# Altium PCB PCB1.PcbDoc (part 1 of 2)
Units mil, origin at the board's own origin, x right, y up, seen from the top; angles counter-clockwise.
Board outline 2600 x 1200 mil, 4 copper layers (Top Layer, GND, POW, Bottom Layer), stack 23.756 mil thick; 103 components, 102 nets, 427 pads, 309 vias.
Unrouted connection lines stored in the file: 7.
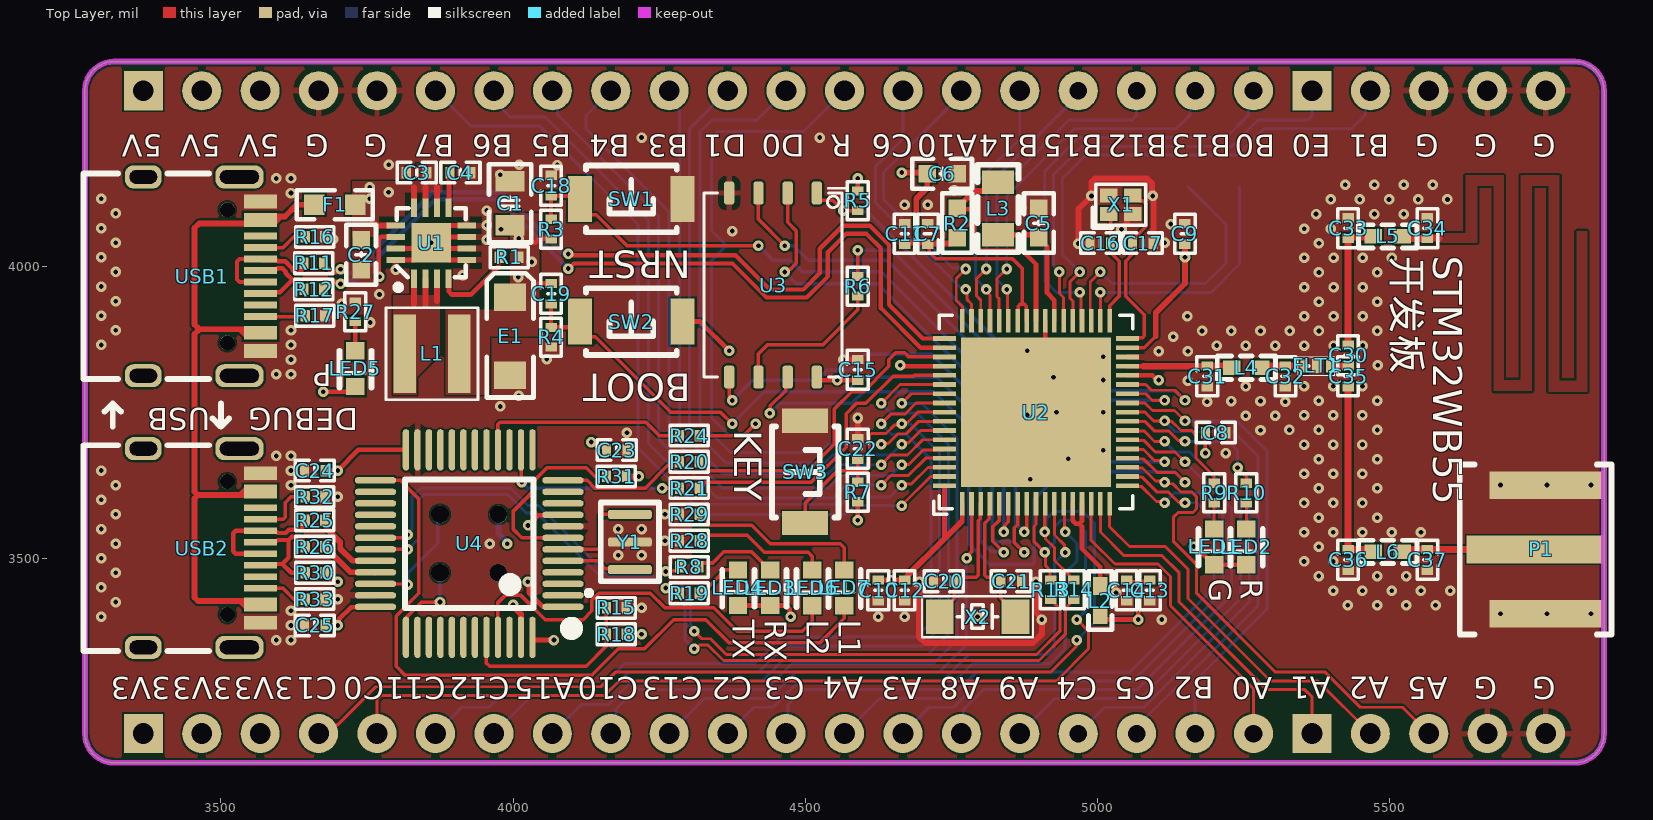
[diagram p0: Top Layer view]
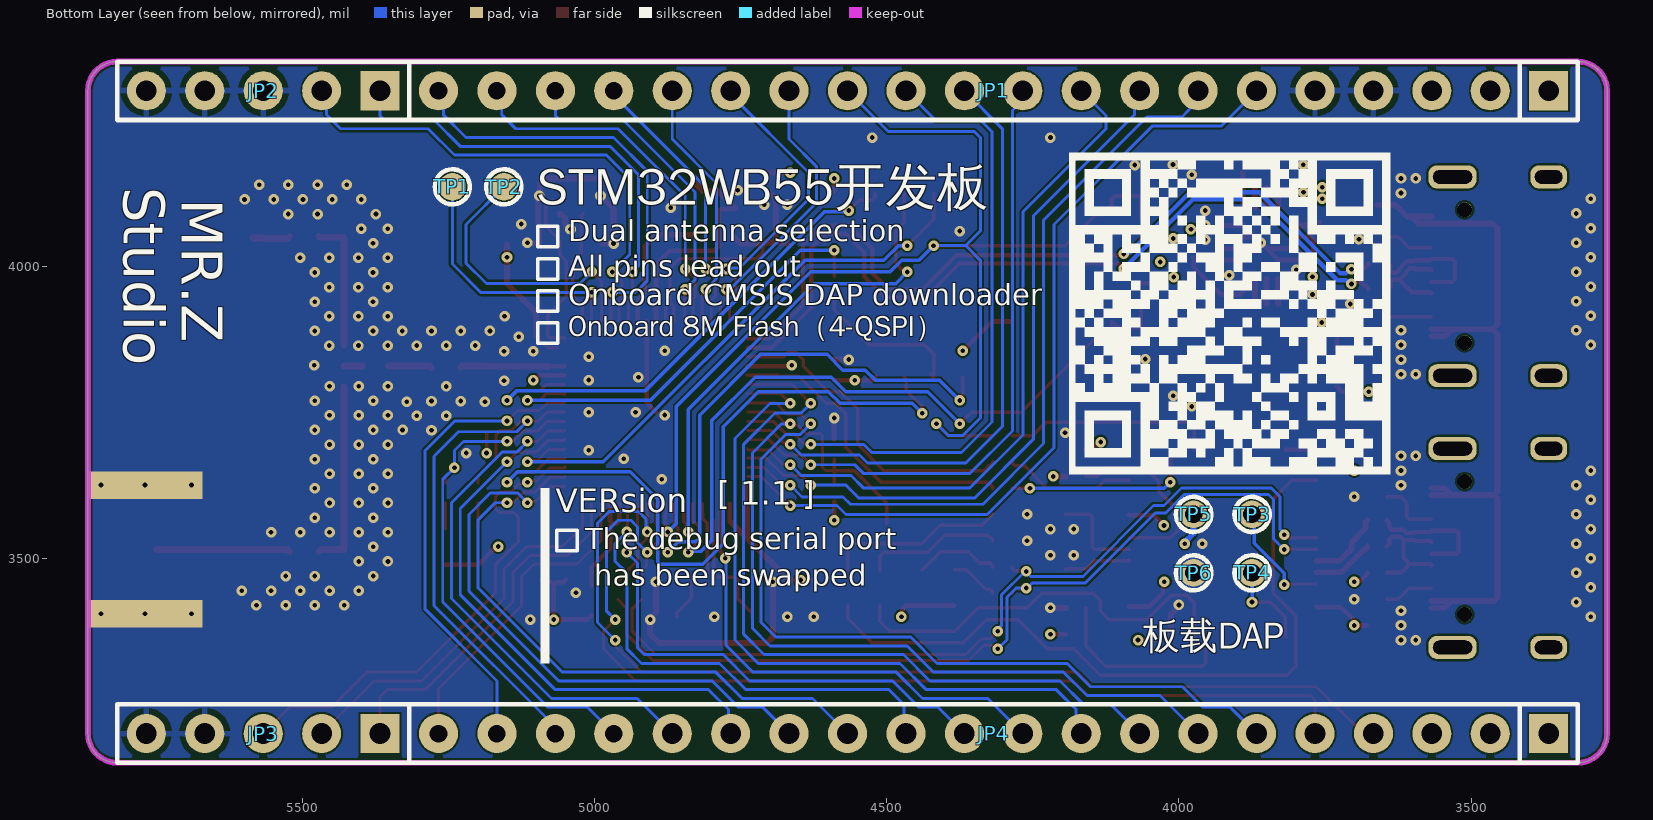
[diagram p1: Bottom Layer view, seen from below]
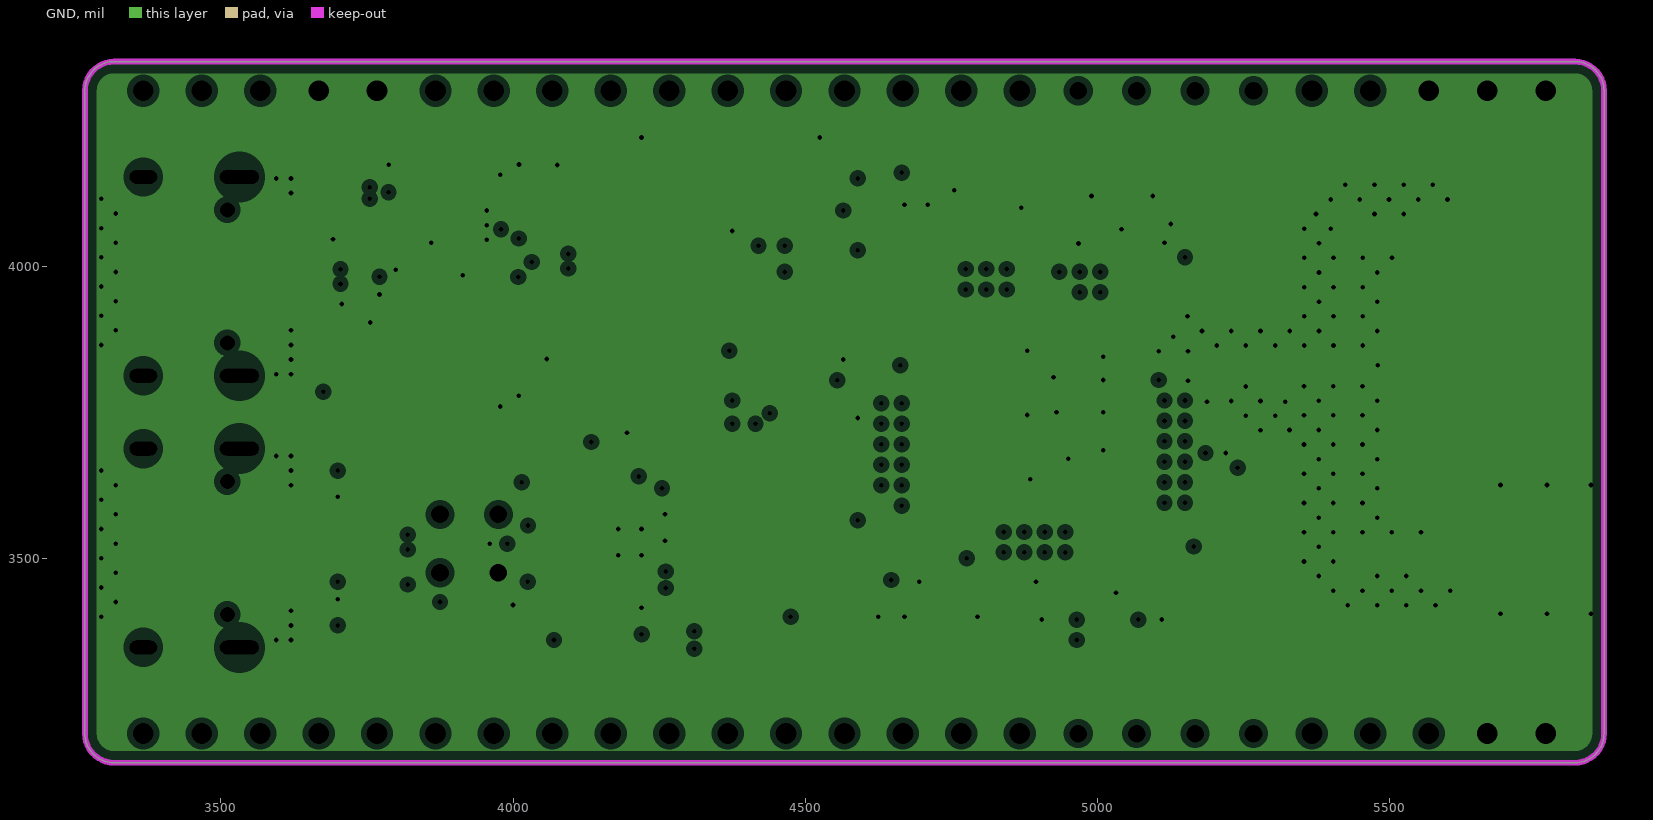
[diagram p2: GND, clearances drawn from the general rule]
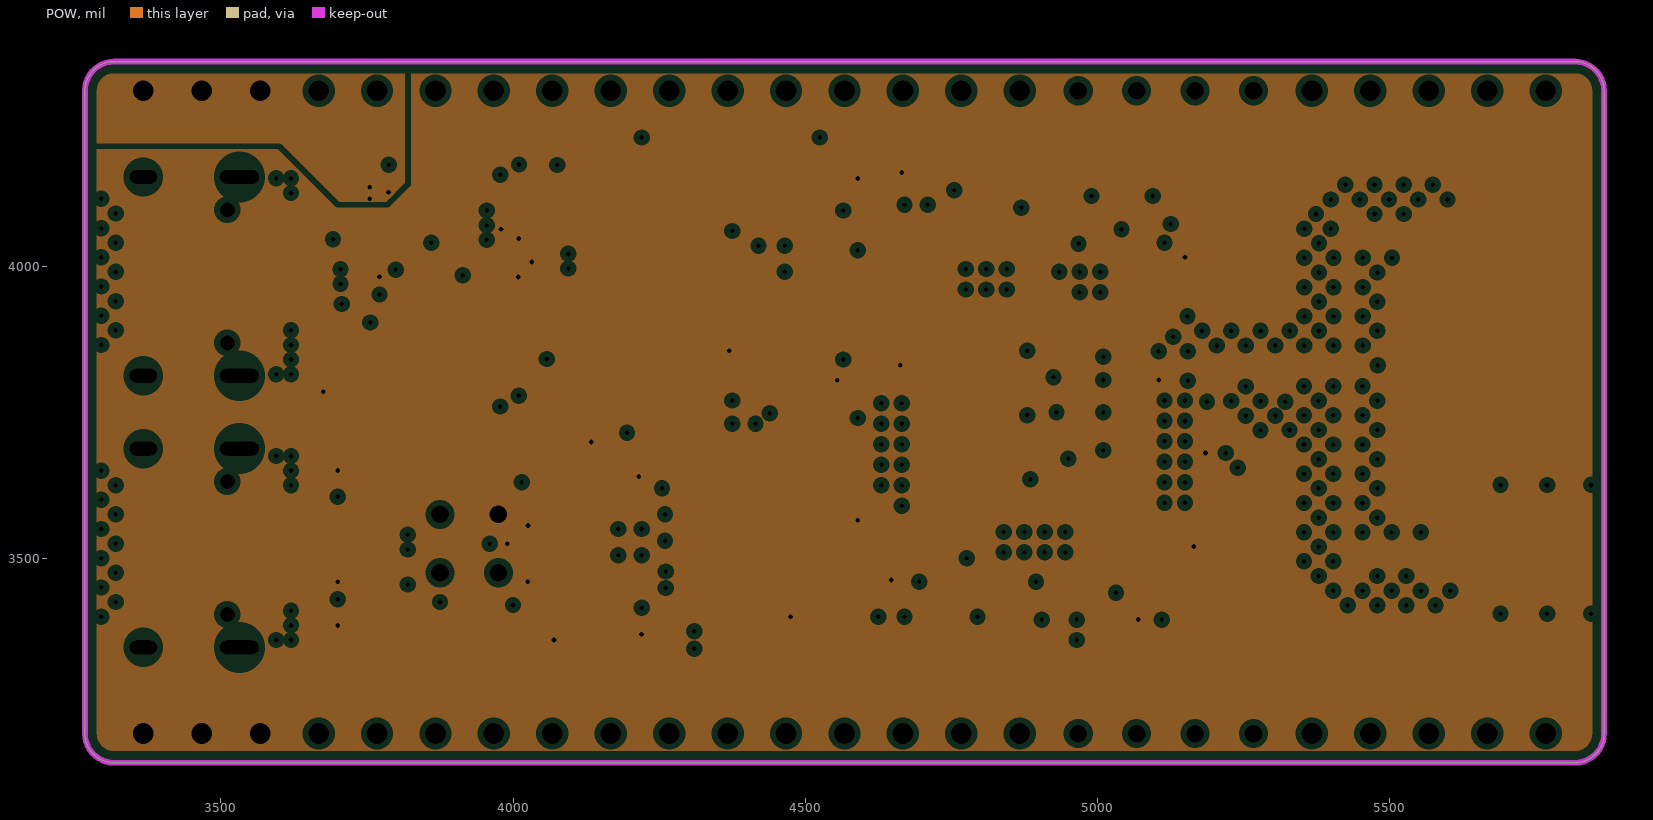
[diagram p3: POW, clearances drawn from the general rule]

## Layer stack, top to bottom
Top Solder: solder mask 0.4, Solder Resist, Dk 3.5
Top Layer: signal copper 1.4
Dielectric 2: prepreg 2.8, PP-006, Dk 4.1
GND: plane copper 1.378, net GND
Dielectric 1: dielectric 12.6, FR-4, Dk 4.8
POW: plane copper 1.378, net (Multiple Nets)
Dielectric 3: prepreg 2.8, PP-006, Dk 4.1
Bottom Layer: signal copper 1.4
Bottom Solder: solder mask 0.4, Solder Resist, Dk 3.5

## Board outline
3267.24,3200 3267.24,4300 cw(c3317.24,4300) 3317.24,4350 5817.24,4350 cw(c5817.24,4300) 5867.24,4300 5867.24,3200 cw(c5817.24,3200) 5817.24,3150 3317.24,3150 cw(c3317.24,3200)

## Design rules (kind name [scope] priority, off if disabled: settings)
Clearance [All] p1: gap=3.5 ignorepadtopadclearanceinfootprint=TRUE
ComponentClearance [All] p1: gap=0 collisioncheckmode=3 verticalgap=0 showdistances=FALSE
DiffPairsRouting [All] p1: maxlimit=4.5 minlimit=4.5 mostfreqgap=4.5 toplayer_minwidth=7.5 toplayer_maxwidth=7.5 toplayer_prefwidth=7.5 bottomlayer_minwidth=7.5 bottomlayer_maxwidth=7.5 bottomlayer_prefwidth=7.5 maxuncoupledlength=500
PlaneClearance [All] p1: clearance=10
PlaneConnect [All] p1: planeconnectstyle=Direct reliefexpansion=20 reliefentries=4 reliefconductorwidth=10 reliefairgap=10
PolygonConnect [All] p1: connectstyle=Relief reliefconductorwidth=10 reliefentries=4 polygonreliefangle="90 Angle" airgapwidth=10
RoutingVias [All] p1: holewidth=8 width=18 viastyle="Through Hole" minholewidth=8 minwidth=18 maxholewidth=8 maxwidth=18
SolderMaskExpansion [All] p1: expansion=4 istentingtop=FALSE
UnRoutedNet [All] p1: checkbadconnections=TRUE
Width [All] p1: maxlimit=30 minlimit=3 preferedwidth=6
25 further rules are at their usual default settings.

## Classes and differential pairs
component class ST-Link: C23 C24 C25 LED3 LED4 LED5 LED6 LED7 R8 R15 R18 R19 R20 R21 R24 R25 R26 R27 R28 R29 R30 R31 R32 R33 TP3 TP4 TP5 TP6 U4 USB2 Y1
component class RF: C30 C31 C32 C33 C34 C35 C36 C37 FLT1 L4 L5 L6 P1
component class POW: C1 C2 C3 C4 C5 C6 C7 C8 C9 C10 C11 C12 C13 C14 E1 F1 L1 L2 L3 R1 R2 U1
component class MUC: C15 C16 C17 C18 C19 C20 C21 C22 JP1 JP2 JP3 JP4 LED1 LED2 R3 R4 R5 R6 R7 R9 R10 R11 R12 R13 R14 R16 R17 SW1 SW2 SW3 TP1 TP2 U2 U3 USB1 X1 X2
differential pair STM32_USB: +STM32_USB_P -STM32_USB_N
differential pair MCU_USB_IN: +MCU_USB_IN_P -MCU_USB_IN_N

## Components (designator, comment, footprint, x,y, rotation, side; value= is the part's Value field where it differs from the comment)
C1 "22uF/16V" "C 0805_L" 3995,4107.4 r90 top
C2 "10uF/16V" "C 0603_L" 3740,4019.41 r90 top
C3 "100nF/16V" "C 0402_L" 3835,4160 r0 top
C4 "3.3nF/50V" "C 0402_L" 3910,4160 r180 top
C5 "4.7uV/16V" "C 0603_L" 4900,4073.72 r270 top
C6 "4.7uV/16V" "C 0603_L" 4734.41,4158 r180 top
C7 "100nF/16V" "C 0402_L" 4710,4055 r270 top
C8 "100nF/16V" "C 0402_L" 5202.71,3715 r180 top
C9 "100nF/16V" "C 0402_L" 5150,4055 r270 top
C10 "100nF/16V" "C 0402_L" 4625,3445 r90 top
C11 "100nF/16V" "C 0402_L" 4670,4055 r270 top
C12 "100nF/16V" "C 0402_L" 4670,3445 r90 top
C13 "100nF/16V" "C 0402_L" 5090,3445 r90 top locked
C14 "100pF/16V" "C 0402_L" 5050,3445 r90 top
C15 "100nF/16V" "C 0402_L" 4590,3822.28 r270 top
C16 "9pF/50V" "C 0402_L" 5005,4039.26 r0 top
C17 "9pF/50V" "C 0402_L" 5077.71,4039.25 r180 top
C18 "10nF/16V" "C 0402_L" 4065,4137.72 r90 top
C19 "10nF/16V" "C 0402_L" 4065,3952.72 r90 top
C20 "7pF/50V" "C 0402_L" 4737.29,3460.75 r0 top
C21 "7pF/50V" "C 0402_L" 4852.28,3460.74 r180 top
C22 "10nF/16V" "C 0402_L" 4590,3687.29 r90 top
C23 "100nF/16V" "C 0402_L" 4177.52,3685 r180 top
C24 "100nF/16V" "C 0402_L" 3660.98,3650 r0 top
C25 "100nF/16V" "C 0402_L" 3660.98,3385 r0 top
C30 "10nF/50V" "C 0402_L" 5429,3847.29 r90 top locked
C31 "0.8pF/50V" "C 0402_L" 5188,3811.29 r270 top locked
C32 "0.3pF/50V" "C 0402_L" 5322,3811.29 r270 top locked
C33 "NOT" "C 0402_L" 5429,4065 r90 top locked
C34 "1.2pF/50V" "C 0402_L" 5565,4065 r90 top locked
C35 "10nF/50V" "C 0402_L" 5429,3811.28 r270 top locked
C36 "NOT" "C 0402_L" 5429.01,3497.28 r270 top locked
C37 "NOT" "C 0402_L" 5565.01,3497.28 r270 top locked
E1 "4.7uF/16V" "CD A(3216)" 3995,3880 r270 top
F1 "MSMD200-8V 2A" "FU 0603" 3695,4105 r0 top
FLT1 "LFB182G45CGFD436" LFB182G45CGFD436 5375,3829 r0 top locked
JP1 "HDR-1X20" HDR2.54-LI-20P 4317.24,4300 r0 bottom locked
JP2 "HDR-1X5" HDR2.54-LI-5P 5567.24,4300 r0 bottom locked
JP3 "HDR-1X5" HDR2.54-LI-5P 5567.24,3200 r0 bottom locked
JP4 "HDR-1X20" HDR2.54-LI-20P 4317.24,3200 r0 bottom locked
L1 "2.2uH" 电感XFL4020 3815,3850 r0 top
L2 "FCM1608KF-601T03" "L 0402" 5005,3427.46 r90 top
L3 "10uH" "L 0805" 4830,4098.54 r90 top
L4 "2.7nH" "L 0402" 5255,3826 r0 top locked
L5 "3.6nH" "L 0402" 5497,4051 r0 top locked
L6 "0 NOT" "L 0402" 5497,3511 r0 top locked
LED1 "绿色" LED 5200,3550 r270 top
LED2 "红色" LED 5255,3550 r270 top
LED3 "绿色" LED 4440,3480 r270 top
LED4 "绿色" LED 4385,3480 r270 top
LED5 "红色" LED 3730,3855 r270 top
LED6 "绿色" LED 4512,3479.79 r270 top
LED7 "绿色" LED 4567,3479.79 r270 top
P1 "SMB" "PCBComponent_1 - duplicate" 5769.69,3404.76 r180 top locked
R1 "100K" "R 0402_L" 3992.29,4015 r0 top
R2 "0 NOT" "R 0603_L" 4760,4073.72 r90 top
R3 "10K" "R 0402_L" 4065,4064.25 r270 top locked
R4 "10K" "R 0402_L" 4065,3879.25 r270 top
R5 "10K" "R 0402_L" 4590,4112.71 r270 top
R6 "22" "R 0402_L" 4590,3966.52 r270 top
R7 "10K" "R 0402_L" 4590,3614.25 r270 top
R8 "15K" "R 0402_L" 4300.75,3485 r0 top locked
R9 "15K" "R 0402_L" 5200,3612.71 r270 top
R10 "910" "R 0402_L" 5255,3612.71 r270 top
R11 "22" "R 0402_L" 3660,4005 r180 top
R12 "22" "R 0402_L" 3660,3960 r180 top
R13 "0" "R 0402_L" 4920,3445 r90 top locked
R14 "0" "R 0402_L" 4960,3445 r90 top locked
R15 "10K" "R 0402_L" 4177.52,3415 r180 top
R16 "5.1k" "R 0402_L" 3660,4050 r0 top
R17 "5.1k" "R 0402_L" 3660,3915 r0 top
R18 "10K" "R 0402_L" 4177.52,3370 r180 top
R19 "15K" "R 0402_L" 4300.75,3440 r0 top locked
R20 "22" "R 0402_L" 4300.75,3665 r0 top
R21 "22" "R 0402_L" 4300.75,3620 r0 top
R24 "22" "R 0402_L" 4300.75,3710 r0 top
R25 "22" "R 0402_L" 3661.96,3565 r180 top
R26 "22" "R 0402_L" 3661.96,3520 r180 top
R27 "910" "R 0402_L" 3730,3922.71 r270 top
R28 "15K" "R 0402_L" 4300.75,3530 r0 top
R29 "15K" "R 0402_L" 4300.75,3575 r0 top
R30 "1K5" "R 0402_L" 3660,3475 r0 top
R31 "10K" "R 0402_L" 4177.52,3640 r180 top
R32 "10K" "R 0402_L" 3661.96,3605 r180 top
R33 "10K" "R 0402_L" 3661.96,3430 r180 top
SW1 "3x6x5" 按钮 4114.8,4115 r0 top locked
SW2 "3x6x5" 按钮 4114.8,3905 r0 top locked
SW3 "3x6x5" 按钮 4500,3560 r90 top locked
TP1 "TEST" "TEST 1.2" 5243.43,4135.64 r0 bottom
TP2 "TEST" "TEST 1.2" 5155.43,4135.64 r270 bottom
TP3 "TEST" "TEST 1.2" 3875,3575 r0 bottom locked
TP4 "TEST" "TEST 1.2" 3875,3475 r0 bottom locked
TP5 "TEST" "TEST 1.2" 3975,3575 r0 bottom locked
TP6 "TEST" "TEST 1.2" 3975,3475 r0 bottom locked
U1 "开关电源 TPS62132-3.3V" QFN16 3860,4040 r90 top locked
U2 "STM32WB55RGV6" VFQFN68-8x8mm-M 4895,3750 r90 top locked
U3 "QSPI-W25Q64IV" QSPI 4520,4125 r270 top locked
U4 "STM32F103CBT6" "LQFP48 7X7_N" 3925,3525 r90 top locked
USB1 "Type-C" Type-c接口 3487.83,4170.45 r270 top locked
USB2 "Type-C" Type-c接口 3487.83,3705.45 r270 top locked
X1 "32M" "OSC 1612-4P" 5040,4105 r0 top
X2 "32.768KHZ" "OSC 3215-2P" 4794.96,3400 r180 top
Y1 "8MHz" 三脚晶振 4200,3480.51 r90 top

## Footprints (in the part's own frame and the unit in brackets; to place one, negate y for a bottom-side part, rotate by r counter-clockwise, add the part's x,y. Pads: shape width x height; smd on the part's side, far side on the other; paste and mask are expansions set on the pad)
"C 0402_L" [mm] "无极性贴片电容"
  rect 0.4x0.5 smd: 1(-0.45,0) 2(0.45,0)
  silkscreen extent -0.85,-0.45 0.85,0.45, body extent -0.5,-0.26 0.5,0.26, height 0.53
"C 0603_L" [mil] "无极性贴片电容"
  rect 30x30 smd: 1(-25.59,0) 2(25.59,0)
  silkscreen extent -51,-26 51,26, body extent -31,-16 31,16, height 32
"C 0805_L" [mil] "无极性贴片电容"
  rect 35x50 smd: 1(-37.4,0) 2(37.4,0)
  silkscreen extent -67,-36 67,36, body extent -39,-24 39,24, height 20
"CD A(3216)" [mm] "长3.2mm，宽1.6mm，厚1.6mm"
  rect 1.2x1.4 smd: 1(-1.7,0) 2(1.7,0)
  silkscreen extent -2.74,-1.02 2.67,1.02, body extent -1.6,-0.8 1.6,0.8, height 1.6
"FU 0603" [mil] "贴片保险丝"
  rect 35x35 smd: 1(-35,0) 2(35,0)
  silkscreen extent -65,-25 65,25, body extent -31,-16 31,16, height 20
HDR2.54-LI-5P [mm] "排针，5脚"
  rect 1.7x1.7 hole 0.9: 1(-5.08,0)
  round 1.7 hole 0.9: 2(-2.54,0) 3(0,0) 4(2.54,0) 5(5.08,0)
  silkscreen extent -6.35,-1.27 6.35,1.27, body extent -6.35,-1.27 6.35,1.27, height 8.5
HDR2.54-LI-20P [mm] "排针，20脚"
  rect 1.7x1.7 hole 0.9: 1(-24.13,0)
  round 1.7 hole 0.9: 2(-21.59,0) 3(-19.05,0) 4(-16.51,0) 5(-13.97,0) 6(-11.43,0) 7(-8.89,0) 8(-6.35,0) 9(-3.81,0) 10(-1.27,0) 11(1.27,0) 12(3.81,0) 13(6.35,0) 14(8.89,0) 15(11.43,0) 16(13.97,0)
  round 1.7 hole 0.762: 17(16.51,0) 18(19.05,0) 19(21.59,0) 20(24.13,0)
  silkscreen extent -25.4,-1.27 25.4,1.27, body extent -25.4,-1.27 25.4,1.27, height 8.5
"L 0402" [mil] "小功率贴片电感（一升设计）"
  rect 30x25 smd: 1(-25,0) 2(25,0)
  silkscreen extent -50,-20 50,20, body extent -20,-10 20,10, height 20
"L 0805" [mil] "小功率贴片电感"
  rect 40x55 smd: 1(-45,0) 2(45,0)
  silkscreen extent -75,-35 75,35, body extent -39,-24 39,24, height 35
LED [mm]
  rect 0.75x0.8 smd: 1(1.55,0) 2(0,0)
  silkscreen extent 0,-0.69 1.6,0.71
LFB182G45CGFD436 [mm]
  rect 0.28x0.55 smd mask-0.01: 1(-0.56,0) 3(0.56,0)
  rect 0.4x0.6 smd mask-0.01: 2(0,0)
  silkscreen extent -0.8,-0.4 0.8,0.4, body extent -0.79,-0.39 0.8,0.39, height 0.66
"LQFP48 7X7_N" [mm] "48脚，体宽7x7mm，脚距0.5mm"
  oval 0.279x1.8 smd: 1(-2.75,-4.075) 2(-2.25,-4.075) 3(-1.75,-4.075) 4(-1.25,-4.075) 5(-0.75,-4.075) 6(-0.25,-4.075) 7(0.25,-4.075) 8(0.75,-4.075) 9(1.25,-4.075) 10(1.75,-4.075) 11(2.25,-4.075) 12(2.75,-4.075) 25(2.75,4.075) 26(2.25,4.075) 27(1.75,4.075) 28(1.25,4.075) 29(0.75,4.075) 30(0.25,4.075) 31(-0.25,4.075) 32(-0.75,4.075) 33(-1.25,4.075) 34(-1.75,4.075) 35(-2.25,4.075) 36(-2.75,4.075)
  oval 1.8x0.279 smd: 13(4.075,-2.75) 14(4.075,-2.25) 15(4.075,-1.75) 16(4.075,-1.25) 17(4.075,-0.75) 18(4.075,-0.25) 19(4.075,0.25) 20(4.075,0.75) 21(4.075,1.25) 22(4.075,1.75) 23(4.075,2.25) 24(4.075,2.75) 37(-4.075,2.75) 38(-4.075,2.25) 39(-4.075,1.75) 40(-4.075,1.25) 41(-4.075,0.75) 42(-4.075,0.25) 43(-4.075,-0.25) 44(-4.075,-0.75) 45(-4.075,-1.25) 46(-4.075,-1.75) 47(-4.075,-2.25) 48(-4.075,-2.75)
  silkscreen extent -3.93,-4.69 2.79,2.79, body extent -4.5,-4.5 4.5,4.5, height 1.45
"OSC 1612-4P" [mm] "1.6*1.2*0.35mm（长宽高）"
  rect 0.75x0.6 smd: 1(-0.525,-0.4) 2(0.525,-0.4) 3(0.525,0.4) 4(-0.525,0.4)
  silkscreen extent -1.22,-0.99 1.09,0.89, body extent -0.8,-0.6 0.8,0.6, height 0.35
"OSC 3215-2P" [mm] "3.2*1.5*0.6mm(长宽高)"
  rect 1.2x1.5 smd: 1(-1.65,0) 2(1.65,0)
  silkscreen extent -2.41,-0.89 2.41,0.89, body extent -1.6,-0.75 1.6,0.75, height 0.61
"PCBComponent_1 - duplicate" [mm]
  rect 6x1.2 smd: 1(0.5,-2.8)
  rect 5x1.2 smd: 2(0,0) 2(0,-5.6)
  rect 5x1.2 smd far side: 2(0,0) 2(0,-5.6)
  silkscreen extent -2.79,-6.49 3.79,0.89
QFN16 [mm] "3mm*3mm"
  rect 0.8x0.25 smd: 1(-1.575,0.75) 2(-1.575,0.25) 3(-1.575,-0.25) 4(-1.575,-0.75) 9(1.524,-0.75) 10(1.524,-0.25) 11(1.524,0.25) 12(1.524,0.75)
  rect 0.25x0.8 smd: 5(-0.75,-1.55) 6(-0.25,-1.55) 7(0.25,-1.55) 8(0.75,-1.55) 13(0.75,1.55) 14(0.25,1.55) 15(-0.25,1.55) 16(-0.75,1.55)
  rect 1.7x1.7 smd: 17(0,0)
  silkscreen extent -2.07,-1.5 1.5,1.56, body extent -1.55,-1.52 1.49,1.52, height 0.9